# Allegro board 1156197-TDI_VU3P_QSFP28_CXP_V001_1023A-166-20241121_1644_PCB.brd (continued)
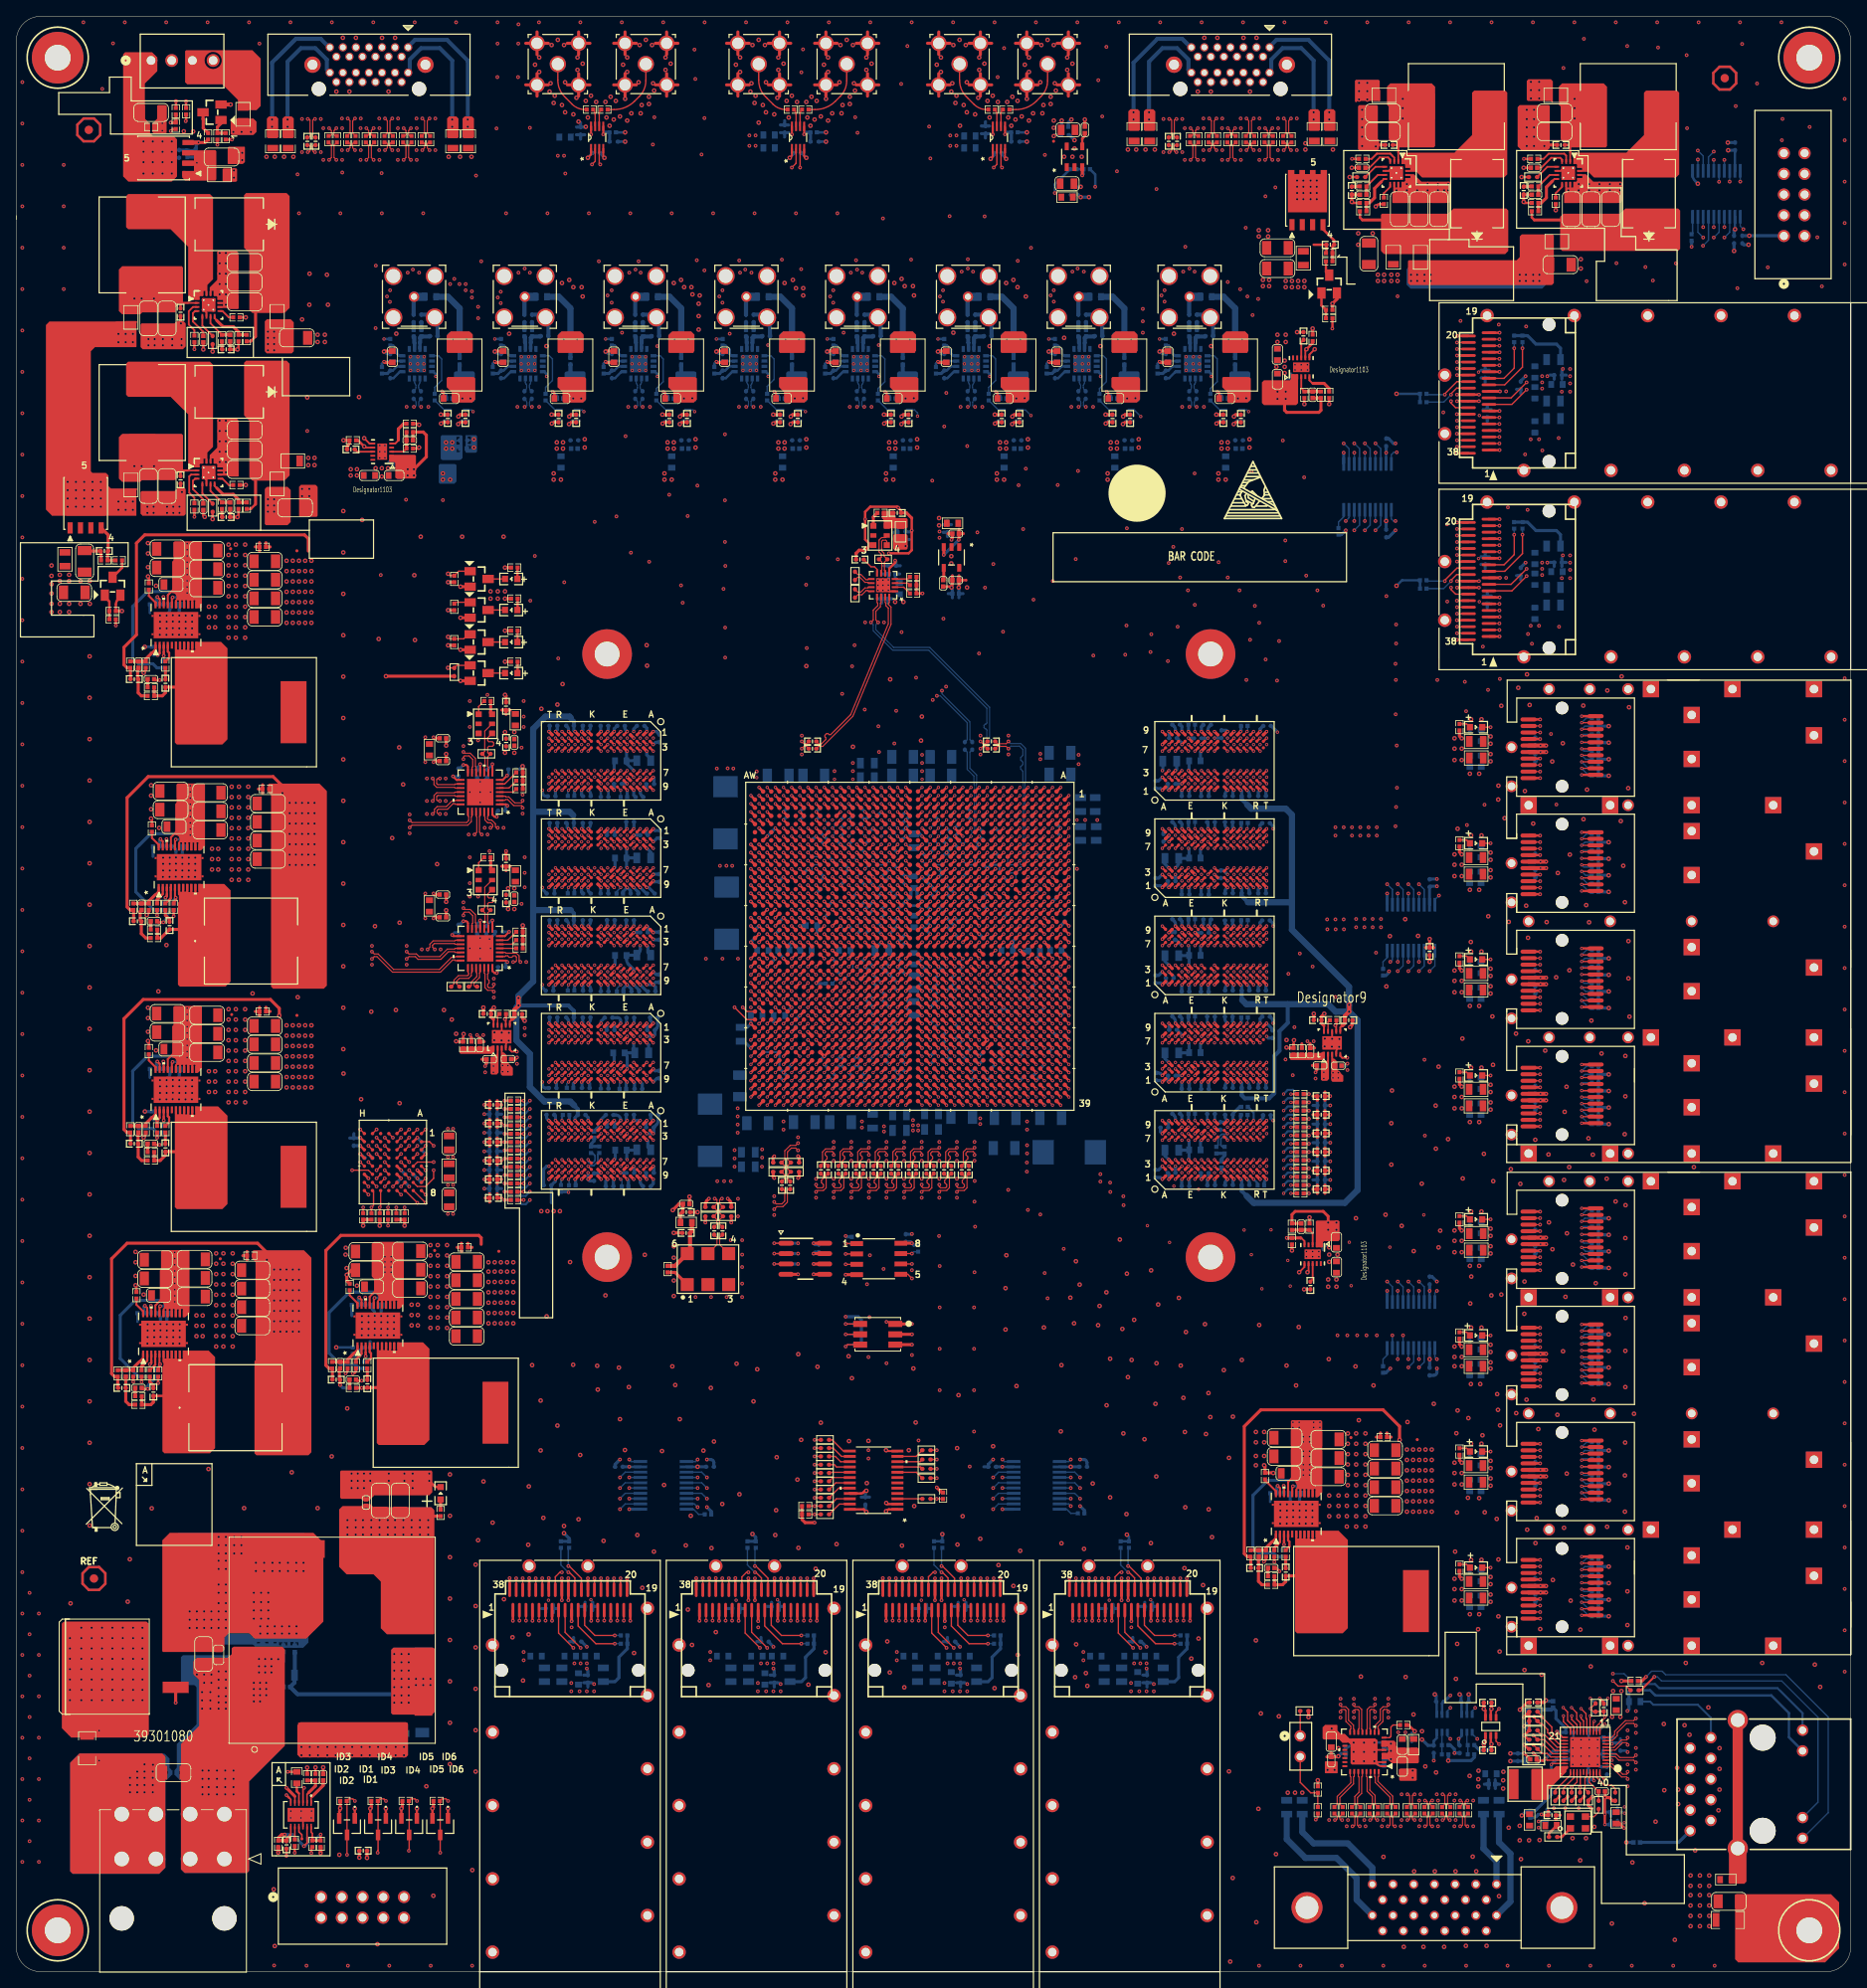
[diagram p0: board, top side]
## Routing (per net, layer and track width the routed paths; a pad name or vN(x,y) marks a point on that pad's centre or on a via; arc(x,y) is an arc through that point) (continued)
CHA_FPGA_DDR4_C1_D4: length 44.2
  TOP w0.267: U1.AJ13 v1(100.1,133.36) ; U7.H2 72.13,127.14 v3(71.73,127.54)
  ART07 w0.191: v3(71.73,127.54) 71.06,127.54 70.71,127.88 70.71,132.21 71.02,132.51 74.96,132.51 75.87,131.6 77.14,131.6 82.09,126.64 89.48,126.64 89.7,126.86 93.25,126.86 93.6,127.2 93.6,127.48 93.92,127.8 93.94,127.8 93.98,127.84 94.23,127.84 94.6,128.21 94.6,132.64 94.81,132.84 99.59,132.84 v1(100.1,133.36)
CHA_FPGA_DDR4_C1_D5: length 44.4
  TOP w0.267: U1.AF15 v1(103.1,131.36) ; U7.H8 v3(72.53,121.94)
  ART07 w0.165: v3(72.53,121.94) 72.67,121.8 arc(72.86,121.51) 72.93,121.17 72.93,120.9
  ART07 w0.191: 72.93,120.9 72.93,120.73 arc(72.97,120.53) 73.08,120.36 75.26,118.19 arc(75.43,118.07) 75.63,118.03 86.63,118.03 arc(86.9,118.09) 87.12,118.24 87.5,118.61 arc(87.77,118.79) 88.09,118.86 96.18,118.86 96.34,118.93 96.66,119.24 96.66,119.54 96.9,119.79 97.15,119.89 98.16,119.89 98.37,119.98 100.49,121.39 100.97,121.87 101.32,121.87 101.61,122.16 101.61,123.53 101.9,123.83 102.34,123.83 102.64,124.13 102.64,124.57 103.44,125.76 103.6,126.29 103.6,130.5 103.35,131.11 v1(103.1,131.36)
CHA_FPGA_DDR4_C1_D6: length 43.1
  TOP w0.267: U1.AJ16 v1(100.1,130.36) ; U7.J3 v3(71.73,125.94)
  ART07 w0.165: 73.73,128.49 73.73,126.48 73.58,126.34 72.85,126.34 72.62,126.11 72.62,125.26 72.45,125.09 71.89,125.09 71.73,125.26 v3(71.73,125.94)
  ART07 w0.191: v1(100.1,130.36) 99.59,129.84 97.89,129.84 97.6,129.55 97.6,128.61 96.6,127.61 96.6,127.13 96.32,126.85 95.97,126.85 95.54,126.43 95.54,126.17 95.28,125.91 95.03,125.91 93.96,124.84 89.48,124.84 89.43,124.89 80.07,124.89 79.88,125.08 79.88,126.42 77.5,128.8 76.87,128.8 76.68,128.99 76.68,129.4 76.49,129.59 76.1,129.59 75.91,129.4 75.91,129.12 75.72,128.93 75.09,128.93 74.75,129.26 74.75,130.18 74.52,130.4 73.99,130.4 73.73,130.14 73.73,128.74 73.73,128.73 73.73,128.49
CHA_FPGA_DDR4_C1_D7: length 42.2
  TOP w0.267: U7.J7 v3(71.73,123.54) ; U1.AG17 v1(102.1,129.36)
  ART07 w0.165: v3(71.73,123.54) 72.13,123.14 74.28,123.14 74.29,123.13 74.29,123.13 74.53,122.9 74.53,120.9
  ART07 w0.191: 74.53,120.9 74.53,120.59 75.92,119.2 86.41,119.2 87.3,120.09 89.1,120.09 89.87,120.86 95.39,120.86 95.58,121.05 95.58,121.51 95.91,121.84 96.41,121.84 96.6,122.03 96.6,122.53 96.92,122.86 99.34,122.86 99.66,123.18 99.66,123.54 99.92,123.8 100.28,123.8 100.58,124.1 100.58,126.54 100.96,126.91 101.28,126.91 101.6,127.23 101.6,128.91 102.05,129.36 v1(102.1,129.36)
CHA_FPGA_DDR4_C1_D8: length 37.7
  TOP w0.267: U1.AM15 v1(97.1,131.36) ; U7.A3 v3(78.13,125.94)
  ART05 w0.191: v1(97.1,131.36) 97.1,131.64 96.88,131.86 89.76,131.86 89.53,132.08 89.53,132.46 88.98,133.02 88.05,133.02 87.85,133.21 87.85,134.99 87.66,135.18 87.28,135.18 87.09,134.99 87.09,133.11 86.9,132.92 86.52,132.92 86.33,133.11 86.33,135.01 86.14,135.2 85.76,135.2 85.57,135.01 85.57,133.11 85.38,132.92 85,132.92 84.81,133.11 84.81,135.09 84.62,135.28 84.24,135.28 84.04,135.09 84.04,132.69 79.12,127.76 79.12,126.21 78.85,125.94 v3(78.13,125.94)
CHA_FPGA_DDR4_C1_D9: length 40.1
  TOP w0.267: U7.B8 v3(76.53,121.94) ; U1.AL17 v1(98.1,129.36)
  ART05 w0.165: v3(76.53,121.94) 76.53,121.78 76.77,121.54 78.25,121.54
  ART05 w0.191: v1(98.1,129.36) 97.8,129.36 97.6,129.15 97.6,128.89 97.84,128.65 97.84,128.13 97.6,127.89 97.6,123.04 97.45,122.89 97,122.89 96.57,122.45 96.57,122.11 96.32,121.86 93.89,121.86 93.6,122.15 93.6,124.69 93.9,124.99 93.9,125.42 93.6,125.73 93.6,128.57 93.32,128.86 88.95,128.86 88.57,128.47 86.44,128.47 79.5,121.54 78.25,121.54
CHA_FPGA_DDR4_C1_D10: length 37.7
  TOP w0.267: U7.C3 v3(75.73,125.94) ; U1.AM14 v1(97.1,132.36)
  ART05 w0.165: v3(75.73,125.94) 76.19,125.48 76.71,125.48 76.93,125.7 76.93,126.87
  ART05 w0.191: 76.93,126.87 76.93,127.22 78.5,128.79 78.5,129.06 78.26,129.3 78.26,129.57 78.53,129.84 78.8,129.84 79.04,129.6 79.31,129.6 79.58,129.87 79.58,130.14 79.34,130.38 79.34,130.65 79.61,130.92 79.88,130.92 80.12,130.68 80.38,130.68 81.53,131.83 81.53,132.45 81.72,132.64 82.26,132.64 82.45,132.83 82.45,133.21 82.26,133.4 81.72,133.4 81.53,133.59 81.53,136.68 81.84,136.98 88.21,136.98 89.03,136.17 89.03,134.4 89.22,134.21 89.53,134.21 89.87,133.88 94.89,133.88 95.92,132.86 96.33,132.86 96.83,132.36 v1(97.1,132.36)
CHA_FPGA_DDR4_C1_D11: length 37.5
  TOP w0.267: U7.C7 v3(76.53,122.74) ; U1.AN14 v1(96.1,132.36)
  ART05 w0.165: 78.61,127.48 78.61,127.34 78.41,127.14 77.97,127.14 77.74,126.9 77.74,126.88 77.73,126.88 77.73,125.56 76.53,124.36 v3(76.53,122.74)
  ART05 w0.191: v1(96.1,132.36) 95.79,132.36 95.29,132.86 89.95,132.86 89.18,133.63 88.65,133.63 88.44,133.83 88.44,135.89 87.96,136.37 83.28,136.37 83.27,136.37 82.46,136.37 82.27,136.18 82.27,135.8 82.46,135.61 83.27,135.61 83.46,135.42 83.46,135.04 83.27,134.84 82.46,134.84 82.27,134.65 82.27,134.27 82.46,134.08 83.27,134.08 83.46,133.89 83.46,132.94 78.61,128.09 78.61,127.48
CHA_FPGA_DDR4_C1_D12: length 37.4
  TOP w0.267: U7.C2 v3(76.53,126.74) ; U1.AL15 v1(98.1,131.36)
  ART05 w0.165: 76.93,128.57 76.93,128.03 76.53,127.63 v3(76.53,126.74)
  ART05 w0.191: 76.93,128.57 76.93,128.72 77.65,129.44 77.65,129.97 79.66,131.98 79.93,131.98 80.24,131.67 80.51,131.67 80.78,131.94 80.78,132.21 80.47,132.52 80.47,132.79 80.77,133.1 80.77,136.96 81.38,137.57 88.44,137.57 89.59,136.42 89.59,135.15 89.87,134.87 95.25,134.87 95.6,134.52 95.6,134.05 95.79,133.86 96.27,133.86 96.6,133.52 96.6,133.14 96.89,132.86 98.23,132.86 98.63,132.46 98.63,131.55 98.44,131.36 v1(98.1,131.36)
CHA_FPGA_DDR4_C1_D13: length 39.2
  TOP w0.267: U7.C8 v3(75.73,121.94) ; U1.AM17 v1(97.1,129.36)
  ART05 w0.165: 78.32,122.34 75.89,122.34 75.73,122.17 v3(75.73,121.94)
  ART05 w0.191: v1(97.1,129.36) 96.79,129.36 96.6,129.17 96.6,125.87 96.27,125.54 96.27,125.11 96.6,124.77 96.6,123.08 96.38,122.86 94.92,122.86 94.6,123.18 94.6,129.58 94.32,129.86 89.12,129.86 88.34,129.08 86.23,129.08 79.49,122.34 78.32,122.34
CHA_FPGA_DDR4_C1_D14: length 41.1
  TOP w0.267: U7.D3 v3(74.93,125.94) ; U1.AL13 v1(98.1,133.36)
  ART05 w0.165: 75.33,128.56 75.33,126.56 74.93,126.16 74.93,125.94 v3(74.93,125.94)
  ART05 w0.191: 75.33,128.56 75.13,128.75 75.13,129.18 75.32,129.37 75.81,129.37 76,129.56 76,129.94 75.81,130.14 75.32,130.14 75.13,130.33 75.13,131.06 76.07,132 77.98,132 79.5,133.53 79.5,138.18 80.31,138.99 86.44,138.99 86.69,138.73 87.2,138.73 87.46,138.99 88.66,138.99 89.79,137.86 90.26,137.86 90.6,137.52 90.6,137.16 90.91,136.86 96.29,136.86 96.55,136.6 96.55,136.17 96.85,135.86 97.28,135.86 97.59,135.56 97.59,133.6 97.83,133.36 v1(98.1,133.36)
CHA_FPGA_DDR4_C1_D15: length 41.9
  TOP w0.267: U1.AM13 v1(97.1,133.36) ; U7.D7 v3(74.93,122.74)
  ART05 w0.165: 76.12,128.52 76.12,126.57 75.9,126.34 75.56,126.34 75.33,126.1 75.33,125.37 74.93,124.97 v3(74.93,122.74)
  ART05 w0.191: v1(97.1,133.36) 97.1,133.53 96.6,134.03 96.6,135.53 96.27,135.86 90.84,135.86 90.6,136.09 90.6,136.55 90.3,136.86 89.97,136.86 88.67,138.15 85.75,138.15 85.49,138.4 84.98,138.4 84.73,138.15 84.22,138.15 83.97,138.4 83.46,138.4 83.21,138.15 82.7,138.15 82.44,138.4 81.94,138.4 81.68,138.15 80.67,138.15 80.14,137.62 80.14,133.35 77.48,130.69 77.21,130.69 76.49,131.42 76.22,131.42 75.95,131.15 75.95,130.88 76.67,130.16 76.67,129.3 76.12,128.75 76.12,128.52
CHA_FPGA_DDR4_C1_D16: length 32.7
  TOP w0.267: U1.AP14 v1(95.1,132.36) ; U8.G2 v3(73.33,138.68)
  ART16 w0.165: 78.35,139.08 73.73,139.08 v3(73.33,138.68)
  ART16 w0.191: 78.35,139.08 82.23,139.08 83.26,138.05 84.73,138.05 84.92,137.86 84.92,136.84 85.11,136.65 85.5,136.65 85.69,136.84 85.69,137.86 85.88,138.05 86.26,138.05 86.45,137.86 86.45,136.51 86.64,136.32 87.02,136.32 87.21,136.51 87.21,137.86 87.4,138.05 87.78,138.05 89.97,135.86 93.38,135.86 93.6,135.63 93.6,135 93.74,134.86 94.28,134.86 94.6,134.53 94.6,134.23 95.1,133.73 v1(95.1,132.36)
CHA_FPGA_DDR4_C1_D17: length 33.4
  TOP w0.267: U1.AR15 v1(94.1,131.36) ; U8.F7 v3(74.13,135.48)
  ART16 w0.165: 77.73,133.55 77.73,134.87 77.52,135.08 74.75,135.08 74.35,135.48 v3(74.13,135.48)
  ART16 w0.191: 77.73,133.55 77.88,133.41 77.88,132.59 78.74,131.72 83.16,131.72 83.35,131.53 83.35,130.57 83.54,130.38 83.92,130.38 84.11,130.57 84.11,131.53 84.3,131.72 84.68,131.72 84.87,131.53 84.87,130.57 85.06,130.38 85.44,130.38 85.63,130.57 85.63,131.53 85.82,131.72 86.2,131.72 86.39,131.53 86.39,130.57 86.58,130.38 86.97,130.38 87.16,130.57 87.16,131.53 87.35,131.72 87.73,131.72 87.92,131.53 87.92,130.57 88.11,130.38 88.49,130.38 88.68,130.57 88.68,131.53 88.87,131.72 89.69,131.72 89.79,131.83 93.91,131.83 94.1,131.64 v1(94.1,131.36)
CHA_FPGA_DDR4_C1_D18: length 33.3
  TOP w0.267: U8.H3 v3(72.53,137.88) ; U1.AR14 v1(94.1,132.36)
  ART16 w0.165: 78.35,138.28 72.93,138.28 v3(72.53,137.88)
  ART16 w0.191: 78.35,138.28 82.12,138.28 84,136.4 84,134.25 84.19,134.06 85.19,134.06 85.38,134.25 85.38,134.63 85.57,134.82 85.95,134.82 86.14,134.63 86.14,134.25 86.33,134.06 86.72,134.06 86.91,134.25 86.91,134.63 87.1,134.82 87.48,134.82 87.67,134.63 87.67,134.25 87.86,134.06 88.37,134.06 88.56,134.25 88.56,135.62 88.75,135.81 89.13,135.81 89.32,135.62 89.32,134.3 89.77,133.86 94.26,133.86 94.61,133.5 94.61,132.84 94.13,132.36 v1(94.1,132.36)
CHA_FPGA_DDR4_C1_D19: length 33.3
  TOP w0.267: U1.AT15 v1(93.1,131.36) ; v3(71.73,135.48) 72.13,135.08 U8.H7
  ART16 w0.165: 76.93,132.82 76.93,133.29 76.75,133.48 74.75,133.48 74.53,133.7 74.53,134.85 74.3,135.08 73.16,135.08 72.93,135.31 72.93,136.28 72.73,136.47 72.01,136.47 71.7,136.17 71.7,135.5 v3(71.73,135.48)
  ART16 w0.191: v1(93.1,131.36) 92.75,131.36 92.25,130.86 89.96,130.86 88.9,129.79 82.9,129.79 82.71,129.98 82.71,130.9 82.52,131.09 82.14,131.09 81.95,130.9 81.95,129.98 81.76,129.79 81.38,129.79 81.19,129.98 81.19,130.9 81,131.09 80.62,131.09 80.43,130.9 80.43,129.98 80.24,129.79 79.79,129.79 79.6,129.98 79.6,130.86 79.38,131.09 78.56,131.09 76.93,132.72 76.93,132.82
CHA_FPGA_DDR4_C1_D20: length 33.5
  TOP w0.267: U8.H2 v3(72.53,138.68) ; U1.AN16 v1(96.1,130.36)
  ART16 w0.165: v3(72.53,138.68) 73.73,139.88 78.35,139.88
  ART16 w0.191: v1(96.1,130.36) 95.6,130.86 95.6,134.65 95.39,134.86 94.89,134.86 94.6,135.14 94.6,135.52 94.27,135.86 93.94,135.86 93.6,136.19 93.6,136.6 93.34,136.86 89.97,136.86 88.14,138.68 85.06,138.68 84.86,138.87 84.86,139.48 84.67,139.67 84.29,139.67 84.1,139.48 84.1,138.87 83.91,138.68 83.54,138.68 82.35,139.88 78.35,139.88
CHA_FPGA_DDR4_C1_D21: length 28.9
  TOP w0.267: U8.H8 v3(72.53,134.68) ; U1.AP17 v1(95.1,129.36)
  ART16 w0.165: 72.93,132.84 72.93,134.51 72.76,134.68 v3(72.53,134.68)
  ART16 w0.191: v1(95.1,129.36) 95.1,129.65 94.91,129.84 92.91,129.84 92.63,129.57 92.63,129.18 92.35,128.91 89.79,128.91 89.41,128.52 79.17,128.52 78.31,129.39 76.38,129.39 73.94,131.83 73.94,132.42 73.75,132.61 73.16,132.61 72.93,132.84
CHA_FPGA_DDR4_C1_D22: length 33.8
  TOP w0.267: U8.J3 v3(71.73,138.68) ; U1.AN15 v1(96.1,131.36)
  ART16 w0.165: 72.93,140.52 72.93,140.07 72.8,139.75 v3(71.73,138.68)
  ART16 w0.191: v1(96.1,131.36) 96.21,131.47 96.53,132.23 96.6,132.6 96.6,135.48 96.23,135.86 94.95,135.86 94.6,136.21 94.6,136.64 94.38,136.86 93.9,136.86 93.6,137.16 93.6,137.59 93.33,137.86 89.91,137.86 88.85,138.91 arc(88.26,139.31) 87.56,139.45 87.34,139.45 arc(86.82,139.5) 86.33,139.67 85.96,139.84 arc(83.99,140.49) 81.93,140.72 73.13,140.72 72.93,140.52
CHA_FPGA_DDR4_C1_D23: length 29.9
  TOP w0.267: U1.AN17 v1(96.1,129.36) ; U8.J7 v3(71.73,134.68)
  ART16 w0.165: v3(71.73,134.68) 71.9,134.51 arc(72.07,134.25) 72.13,133.95 72.13,132.93 arc(72.15,132.81) 72.22,132.7 72.33,132.59
  ART16 w0.191: v1(96.1,129.36) 95.92,129.18 arc(95.57,128.94) 95.15,128.86 93.08,128.86 arc(92.95,128.83) 92.84,128.76 92.73,128.65 arc(92.64,128.5) 92.6,128.33 92.6,128.26 arc(92.57,128.12) 92.5,128.01 92.4,127.91 arc(92.34,127.87) 92.27,127.86 79.91,127.86 arc(79.52,127.87) 79.12,127.89 arc(78.83,127.96) 78.56,128.1 77.78,128.67 arc(77.61,128.75) 77.42,128.78 76.48,128.78 arc(76.17,128.84) 75.91,129.01 72.33,132.59
CHA_FPGA_DDR4_C1_D24: length 23.5
  TOP w0.267: U8.A3 v3(78.13,137.88) ; U1.AW14 v1(90.1,132.36)
  ART07 w0.191: v1(90.1,132.36) 89.66,132.36 89.56,132.46 87.45,132.46 87.26,132.65 87.26,133.72 87.07,133.91 86.69,133.91 86.5,133.72 86.5,132.65 86.31,132.46 85.93,132.46 85.74,132.65 85.74,134.23 85.55,134.42 85.17,134.42 84.98,134.23 84.98,132.65 84.78,132.46 84.45,132.46 84.07,132.84 84.07,136.27 82.47,137.88 v3(78.13,137.88)
CHA_FPGA_DDR4_C1_D25: length 18.9
  TOP w0.267: U1.AW18 v1(90.1,128.36) ; U8.B8 v3(76.53,133.88)
  ART07 w0.165: 77.59,133.48 76.93,133.48 v3(76.53,133.88)
  ART07 w0.191: 77.59,133.48 77.7,133.48 78.38,132.79 78.65,132.79 79.12,133.26 79.39,133.26 79.66,132.99 79.66,132.72 79.13,132.19 79.13,131.92 82.69,128.36 v1(90.1,128.36)
CHA_FPGA_DDR4_C1_D26: length 23.5
  TOP w0.267: U1.AV15 v1(91.1,131.36) ; U8.C3 v3(75.73,137.88)
  ART07 w0.191: v1(91.1,131.36) 90.77,131.36 90.27,131.86 84.12,131.86 83.44,132.54 83.44,136.09 82.25,137.29 76.96,137.29 76.66,136.98 76.66,136.4 76.45,136.19 75.92,136.19 75.73,136.39 v3(75.73,137.88)
CHA_FPGA_DDR4_C1_D27: length 19.2
  TOP w0.267: U1.AW17 v1(90.1,129.36) ; U8.C7 v3(76.53,135.48)
  ART07 w0.165: 78.34,135.08 77.17,135.08 76.77,135.48 v3(76.53,135.48)
  ART07 w0.191: v1(90.1,129.36) 89.92,129.54 83.19,129.54 80.92,131.8 80.92,134.51 80.73,134.7 80.37,134.7 80.14,134.47 79.66,134.47 79.43,134.7 78.92,134.7 78.54,135.08 78.34,135.08
CHA_FPGA_DDR4_C1_D28: length 23.6
  TOP w0.267: U8.C2 v3(76.53,138.68) ; U1.AV14 v1(91.1,132.36)
  ART07 w0.191: v3(76.53,138.68) 76.94,139.09 85.27,139.09 85.5,138.86 85.5,138.59 84.99,138.09 84.99,137.82 85.26,137.55 85.53,137.55 86.03,138.05 86.3,138.05 86.57,137.78 86.57,137.52 86.07,137.01 86.07,136.74 86.34,136.47 86.61,136.47 87.11,136.98 87.38,136.98 88.42,135.94 88.42,134.52 89.05,133.88 90.37,133.88 90.6,133.65 90.6,133.2 91.1,132.7 v1(91.1,132.36)
CHA_FPGA_DDR4_C1_D29: length 22.6
  TOP w0.267: U1.AT17 93.1,128.36 v1(93.1,128.36) ; U8.C8 v3(76.53,134.68)
  ART07 w0.165: 76.13,132.83 U8.C8 v3(76.53,134.68)
  ART07 w0.191: v1(93.1,128.36) 92.58,127.84 90.81,127.84 90.7,127.74 82.45,127.74 77.55,132.64 76.32,132.64 76.13,132.83
CHA_FPGA_DDR4_C1_D30: length 23.6
  TOP w0.267: U1.AU15 v1(92.1,131.36) ; U8.D3 v3(75.73,138.68)
  ART07 w0.165: v3(75.73,138.68) 76.12,139.07 76.12,139.69 76.31,139.88 77.06,139.88
  ART07 w0.191: 77.06,139.88 77.17,139.78 85.45,139.78 89.1,136.12 89.1,135.59 89.83,134.86 90.39,134.86 90.65,134.59 90.65,134.16 90.91,133.91 91.3,133.91 91.6,133.6 91.6,132.17 92.1,131.67 v1(92.1,131.36)
CHA_FPGA_DDR4_C1_D31: length 22.7
  TOP w0.267: v1(93.1,129.36) 93.1,129.36 U1.AT16 ; U8.D7 v3(75.73,134.68)
  ART07 w0.165: 78.37,134.28 77.16,134.28 76.93,134.51 76.93,134.83 76.69,135.08 76.13,135.08 v3(75.73,134.68)
  ART07 w0.191: v1(93.1,129.36) 92.58,128.84 89.75,128.84 89.64,128.96 82.93,128.96 80.24,131.65 80.24,133.25 79.62,133.87 78.85,133.87 78.45,134.28 78.37,134.28
CHA_FPGA_DDR4_C1_D32: length 57.8
  TOP w0.267: U9.G2 v3(73.33,102.86) ; U1.AH19 v1(101.1,127.36)
  ART12 w0.165: v3(73.33,102.86) 73.73,103.26 74.3,103.26 74.53,103.49 74.53,104.62
  ART12 w0.191: 74.53,104.62 74.53,104.84 74.71,105.03 75.06,105.03 75.35,105.32 75.35,106.06 75.54,106.25 75.92,106.25 76.11,106.06 76.11,105.22 76.3,105.03 77.22,105.03 78.11,105.92 79.41,105.92 79.83,106.34 79.83,106.89 80.02,107.08 80.35,107.08 80.54,107.27 80.54,107.65 80.35,107.84 80.02,107.84 79.83,108.03 79.83,108.41 80.02,108.6 80.35,108.6 80.54,108.79 80.54,109.18 80.35,109.37 80.02,109.37 79.83,109.56 79.83,109.94 80.02,110.13 80.35,110.13 80.54,110.32 80.54,110.7 80.35,110.89 80.02,110.89 79.83,111.08 79.83,111.46 80.02,111.65 80.35,111.65 80.54,111.84 80.54,112.22 80.35,112.41 80.02,112.41 79.83,112.6 79.83,112.99 80.02,113.18 80.35,113.18 80.54,113.37 80.54,113.75 80.35,113.94 80.02,113.94 79.83,114.13 79.83,121.72 87.53,129.41 89.15,129.41 89.71,128.86 99.36,128.86 99.59,128.63 99.59,128.14 99.9,127.84 100.25,127.84 100.74,127.36 v1(101.1,127.36)
CHA_FPGA_DDR4_C1_D33: length 54.7
  TOP w0.267: U1.AH21 v1(101.1,124.36) ; U9.F7 v3(73.33,98.86)
  ART12 w0.165: 73.72,99.91 73.72,99.5 73.33,99.11 v3(73.33,98.86)
  ART12 w0.191: v1(101.1,124.36) 100.86,124.59 100.86,125.22 100.23,125.86 88.77,125.86 87.28,124.36 87.28,124.09 87.51,123.87 87.51,123.6 87.24,123.33 86.97,123.33 86.8,123.49 86.54,123.49 86.04,123 86.04,122.73 86.19,122.58 86.19,122.31 85.92,122.04 85.65,122.04 85.51,122.19 85.24,122.19 83.36,120.32 83.36,100.91 82.4,99.95 78.71,99.95 78.56,100.1 73.91,100.1 73.72,99.91
CHA_FPGA_DDR4_C1_D34: length 57.1
  TOP w0.267: U1.AJ19 v1(100.1,127.36) ; v3(71.73,102.06) 72.13,102.46 U9.H3
  ART12 w0.165: 77.73,103.05 77.73,102.7 77.5,102.46 72.13,102.46 v3(71.73,102.06)
  ART12 w0.191: 77.73,103.05 77.73,103.28 78.56,104.11 78.56,104.74 78.96,105.13 80.87,105.13 81.12,105.37 81.12,114.52 80.9,114.74 80.61,114.74 80.42,114.93 80.42,115.31 80.61,115.5 80.93,115.5 81.12,115.69 81.12,116.05 80.9,116.26 80.61,116.26 80.42,116.45 80.42,116.83 80.61,117.02 80.93,117.02 81.12,117.22 81.12,117.57 80.9,117.79 80.61,117.79 80.42,117.98 80.42,118.36 80.61,118.55 80.93,118.55 81.12,118.74 81.12,119.1 80.9,119.31 80.61,119.31 80.42,119.5 80.42,119.88 80.61,120.07 80.93,120.07 81.12,120.26 81.12,120.62 80.9,120.83 80.61,120.83 80.42,121.03 80.42,121.41 80.61,121.6 80.93,121.6 81.12,121.79 81.12,122.16 86.84,127.89 87.9,127.89 88.09,128.08 88.09,128.59 88.28,128.78 88.66,128.78 88.85,128.59 88.85,128.08 89.08,127.86 99.27,127.86 99.77,127.36 v1(100.1,127.36)
CHA_FPGA_DDR4_C1_D35: length 55.5
  TOP w0.267: U1.AJ21 100.1,125.36 v1(100.1,125.36) ; U9.H7 v3(72.53,98.86)
  ART12 w0.165: 78.5,99.26 73.99,99.26 73.98,99.26 73.97,99.26 73.73,99.02 73.73,98.69 73.5,98.46 72.93,98.46 v3(72.53,98.86)
  ART12 w0.191: v1(100.1,125.36) 99.6,124.86 99.6,124.21 99.29,123.9 98.91,123.9 97.97,124.84 89.79,124.84 87.99,123.04 87.99,121.58 87.8,121.39 87.53,121.39 87.22,121.7 86.95,121.7 86.68,121.43 86.68,121.16 86.93,120.91 86.93,120.64 86.66,120.37 86.39,120.37 85.56,121.2 85.29,121.2 84,119.91 84,100.48 82.83,99.31 78.55,99.31 78.5,99.26
CHA_FPGA_DDR4_C1_D36: length 58.3
  TOP w0.267: U1.AF20 v1(103.1,126.36) ; U9.H2 v3(72.53,102.86)
  ART12 w0.165: 73.73,104.73 73.73,104.06 v3(72.53,102.86)
  ART12 w0.191: 73.73,104.73 73.73,105.5 75.82,107.59 76.59,107.59 76.78,107.4 76.78,106.41 76.97,106.22 77.35,106.22 77.54,106.41 77.54,107.4 77.74,107.59 78.12,107.59 78.31,107.4 78.31,106.92 78.5,106.73 79.03,106.73 79.22,106.92 79.22,121.92 87.48,130.18 90.83,130.18 91.15,129.86 99.25,129.86 100.58,128.52 100.58,128.14 100.86,127.86 102.29,127.86 102.64,127.51 102.64,127.18 103.1,126.72 v1(103.1,126.36)
CHA_FPGA_DDR4_C1_D37: length 55.9
  TOP w0.267: v3(71.73,98.86) 72.13,98.46 U9.H8 ; U1.AJ22 v1(100.1,123.36)
  ART12 w0.165: 76.96,97.66 72.26,97.66 72.13,97.8 72.13,98.46 v3(71.73,98.86)
  ART12 w0.191: 76.96,97.66 77.01,97.71 78.69,97.71 79.07,98.09 79.54,98.09 79.73,97.9 79.73,97.45 79.92,97.26 80.3,97.26 80.5,97.45 80.5,97.9 80.69,98.09 81.07,98.09 81.26,97.9 81.26,97.45 81.45,97.26 81.83,97.26 82.02,97.45 82.02,97.9 82.21,98.09 82.59,98.09 82.78,97.9 82.78,97.6 82.97,97.41 83.35,97.41 83.54,97.6 83.54,97.9 83.73,98.09 83.95,98.09 85.15,99.3 85.15,117.11 89.41,121.36 89.41,122.58 89.68,122.86 99.9,122.86 100.1,123.06 v1(100.1,123.36)
CHA_FPGA_DDR4_C1_D38: length 58.3
  TOP w0.267: U1.AF21 v1(103.1,124.36) ; U9.J3 v3(71.73,102.86)
  ART12 w0.165: v3(71.73,102.86) 72.71,103.84 arc(72.87,104.09) 72.93,104.38 72.93,104.62
  ART12 w0.191: 72.93,104.62 72.93,105.09 arc(73.03,105.6) 73.32,106.04 75.17,107.88 arc(75.52,108.12) 75.94,108.2 77.57,108.2 arc(77.83,108.26) 78.05,108.41 78.44,108.79 arc(78.59,109.01) 78.64,109.27 78.64,122.17 87.32,130.86 99.34,130.86 99.6,130.6 99.6,130.19 100.94,128.86 102.28,128.86 102.6,128.54 102.6,128.16 102.9,127.86 103.28,127.86 103.6,127.54 103.6,126.04 arc(103.6,126.01) 103.59,125.98 v1(103.1,124.36)
CHA_FPGA_DDR4_C1_D39: length 56.3
  TOP w0.267: v3(71.73,99.66) 71.33,99.26 U9.J7 ; U1.AH22 v1(101.1,123.36)
  ART12 w0.165: 71.33,98.61 71.33,98.89 arc(71.4,99.23) 71.59,99.52 v3(71.73,99.66)
  ART12 w0.191: 71.33,98.61 71.27,98.55 71.27,97.25 arc(71.3,97.09) 71.39,96.96 71.57,96.78 arc(71.72,96.68) 71.89,96.65 83.57,96.65 85.72,98.81 85.72,116.81 89.77,120.86 90.28,120.86 90.55,121.13 90.55,121.62 90.79,121.86 100.41,121.86 100.6,122.05 100.6,122.86 v1(101.1,123.36)
CHA_FPGA_DDR4_C1_D40: length 48.3
  TOP w0.267: U9.A3 v3(78.13,102.06) ; U1.AK19 v1(99.1,127.36)
  ART16 w0.191: v3(78.13,102.06) 78.13,102.29 78.54,102.7 78.54,103.2 81.66,106.32 81.66,118.57 82.47,119.38 82.47,119.65 81.81,120.3 81.81,120.57 82.08,120.84 82.35,120.84 83.01,120.18 83.28,120.18 83.55,120.45 83.55,120.72 82.89,121.38 82.89,121.65 83.16,121.92 83.43,121.92 84.09,121.26 84.36,121.26 85.95,122.86 86.68,122.86 86.88,122.67 86.88,122.19 87.07,122 87.45,122 87.64,122.19 87.64,122.67 87.83,122.86 88.21,122.86 88.4,122.67 88.4,122.19 88.59,122 88.97,122 89.16,122.19 89.16,122.67 89.35,122.86 94.31,122.86 94.59,123.14 94.59,123.55 94.9,123.86 96.3,123.86 96.6,124.16 96.6,124.54 97.92,125.86 98.41,125.86 98.6,126.05 98.6,127.17 98.79,127.36 v1(99.1,127.36)
CHA_FPGA_DDR4_C1_D41: length 44
  TOP w0.267: U1.AM22 v1(97.1,123.36) ; U9.B8 v3(77.33,98.86)
  ART16 w0.165: 78.38,99.26 77.73,99.26 v3(77.33,98.86)
  ART16 w0.191: 78.38,99.26 79.6,99.26 83.95,103.61 83.95,117.22 84.13,117.4 84.4,117.4 84.91,116.88 85.18,116.88 85.45,117.15 85.45,117.42 84.94,117.94 84.94,118.21 85.21,118.48 85.47,118.48 85.99,117.96 86.26,117.96 86.53,118.23 86.53,118.5 86.01,119.02 86.01,119.29 86.18,119.46 89.28,119.46 89.68,119.86 95.37,119.86 95.6,120.09 95.6,121.49 95.97,121.86 96.33,121.86 96.6,122.13 96.6,122.51 97.1,123.01 v1(97.1,123.36)
CHA_FPGA_DDR4_C1_D42: length 46.3
  TOP w0.267: U9.C3 v3(75.73,102.06) ; U1.AL20 v1(98.1,126.36)
  ART16 w0.165: 76.93,103.21 76.93,102.67 76.72,102.46 U9.C3 v3(75.73,102.06)
  ART16 w0.191: 76.93,103.21 76.93,103.4 77.52,103.99 78.51,103.99 79.1,104.58 79.1,104.85 78.43,105.52 78.43,105.79 78.7,106.06 78.97,106.06 79.64,105.38 79.91,105.38 80.18,105.65 80.18,105.92 79.79,106.32 79.79,106.58 80.06,106.85 80.33,106.85 80.61,106.57 80.9,106.57 81.09,106.76 81.09,120.71 82.91,122.53 84.3,122.53 85.41,123.63 87.15,123.63 87.42,123.9 87.91,123.9 88.18,123.63 89.52,123.63 89.74,123.86 94.34,123.86 94.59,124.1 94.59,124.56 94.87,124.84 96.24,124.84 97.76,126.36 v1(98.1,126.36)
CHA_FPGA_DDR4_C1_D43: length 44.7
  TOP w0.267: U1.AL22 v1(98.1,123.36) ; U9.C7 v3(76.53,99.66)
  ART16 w0.165: 76.73,98.46 76.29,98.46 76.13,98.62 76.13,99.42 76.37,99.66 v3(76.53,99.66)
  ART16 w0.191: 76.73,98.46 76.97,98.46 77.17,98.27 79.53,98.27 84.71,103.45 84.71,115.49 86.74,117.53 87.86,117.53 88.11,117.78 88.62,117.78 88.88,117.53 89.42,117.53 89.61,117.72 89.61,118.55 89.92,118.86 96.43,118.86 96.6,119.03 96.6,119.56 96.6,119.56 96.6,121.56 96.9,121.86 97.33,121.86 97.6,122.12 97.6,122.62 98.1,123.12 v1(98.1,123.36)
CHA_FPGA_DDR4_C1_D44: length 46.1
  TOP w0.267: U1.AM20 v1(97.1,126.36) ; U9.C2 v3(75.73,102.86)
  ART16 w0.165: v3(75.73,102.86) 75.96,102.86 76.13,103.03 76.13,104.62
  ART16 w0.191: 76.13,104.62 76.13,106.44 76.34,106.65 76.79,106.65 76.98,106.46 76.98,105.22 77.17,105.03 77.55,105.03 77.74,105.22 77.74,106.67 77.93,106.86 79.17,106.86 80.52,108.2 80.52,121.18 82.82,123.48 83.09,123.48 83.35,123.22 83.62,123.22 83.89,123.49 83.89,123.76 83.63,124.02 83.63,124.29 84.3,124.97 89.2,124.97 89.33,124.84 94.11,124.84 94.59,125.32 95.81,125.32 96.84,126.36 v1(97.1,126.36)
CHA_FPGA_DDR4_C1_D45: length 48.2
  TOP w0.267: U1.AK20 v1(99.1,126.36) ; U9.C8 v3(76.53,98.06)
  ART16 w0.191: v1(99.1,126.36) 99.38,126.36 99.6,126.13 99.6,123.08 99.37,122.86 98.85,122.86 98.6,122.6 98.6,120.14 98.27,119.81 97.89,119.81 97.6,119.52 97.6,118.05 97.41,117.86 91.06,117.86 90.14,116.94 87.12,116.94 85.34,115.16 85.34,103.25 79.48,97.38 78.71,97.38 78.38,97.71 76.88,97.71 v3(76.53,98.06)
CHA_FPGA_DDR4_C1_D46: length 46.1
  TOP w0.267: U9.D3 v3(74.93,102.06) ; U1.AN19 v1(96.1,127.36)
  ART16 w0.165: v3(74.93,102.06) 74.74,102.06 74.53,102.27 74.53,104.62
  ART16 w0.191: 74.53,104.62 74.53,105.26 74.88,105.61 74.88,106.05 74.55,106.38 74.55,107.44 75.18,108.08 78.56,108.08 79.38,108.89 79.38,121.82 80.33,122.77 80.33,123.28 80.62,123.57 81.12,123.57 81.41,123.85 81.41,124.36 81.69,124.64 82.2,124.64 82.49,124.93 82.49,125.44 82.77,125.72 83.28,125.72 83.82,126.26 89.53,126.26 89.94,125.86 93.4,125.86 93.6,126.06 93.6,126.49 93.96,126.86 95.26,126.86 95.76,127.36 v1(96.1,127.36)
CHA_FPGA_DDR4_C1_D47: length 46.5
  TOP w0.267: U1.AM19 v1(97.1,127.36) ; U9.D7 v3(75.73,99.66)
  ART16 w0.165: 75.33,104.62 75.33,100.63 arc(75.43,100.11) v3(75.73,99.66)
  ART16 w0.191: v1(97.1,127.36) 96.78,127.03 arc(96.6,126.91) 96.39,126.87 95.89,126.87 95.6,126.59 95.6,126.13 95.31,125.84 94.59,125.84 arc(94.27,125.78) 94,125.6 93.95,125.55 arc(93.73,125.4) 93.47,125.35 89.69,125.35 89.43,125.6 84,125.6 79.95,121.55 79.95,108.77 arc(79.9,108.54) 79.77,108.34 79.07,107.64 arc(78.85,107.49) 78.58,107.44 76.56,107.44 arc(76.27,107.38) 76.03,107.22 75.73,106.92 arc(75.53,106.63) 75.46,106.27 75.46,105.67 75.33,104.62